# Altium PCB Power Board.PcbDoc (part 3 of 3)
Units mm, origin at the board's own origin, x right, y up, seen from the top; angles counter-clockwise.
Board outline 181.1 x 196.98 mm, 4 copper layers (Top Layer, Int1 (GND), Int2, Bottom Layer), stack 1.369 mm thick; 399 components, 209 nets, 1103 pads, 545 vias.
Unrouted connection lines stored in the file: 26.
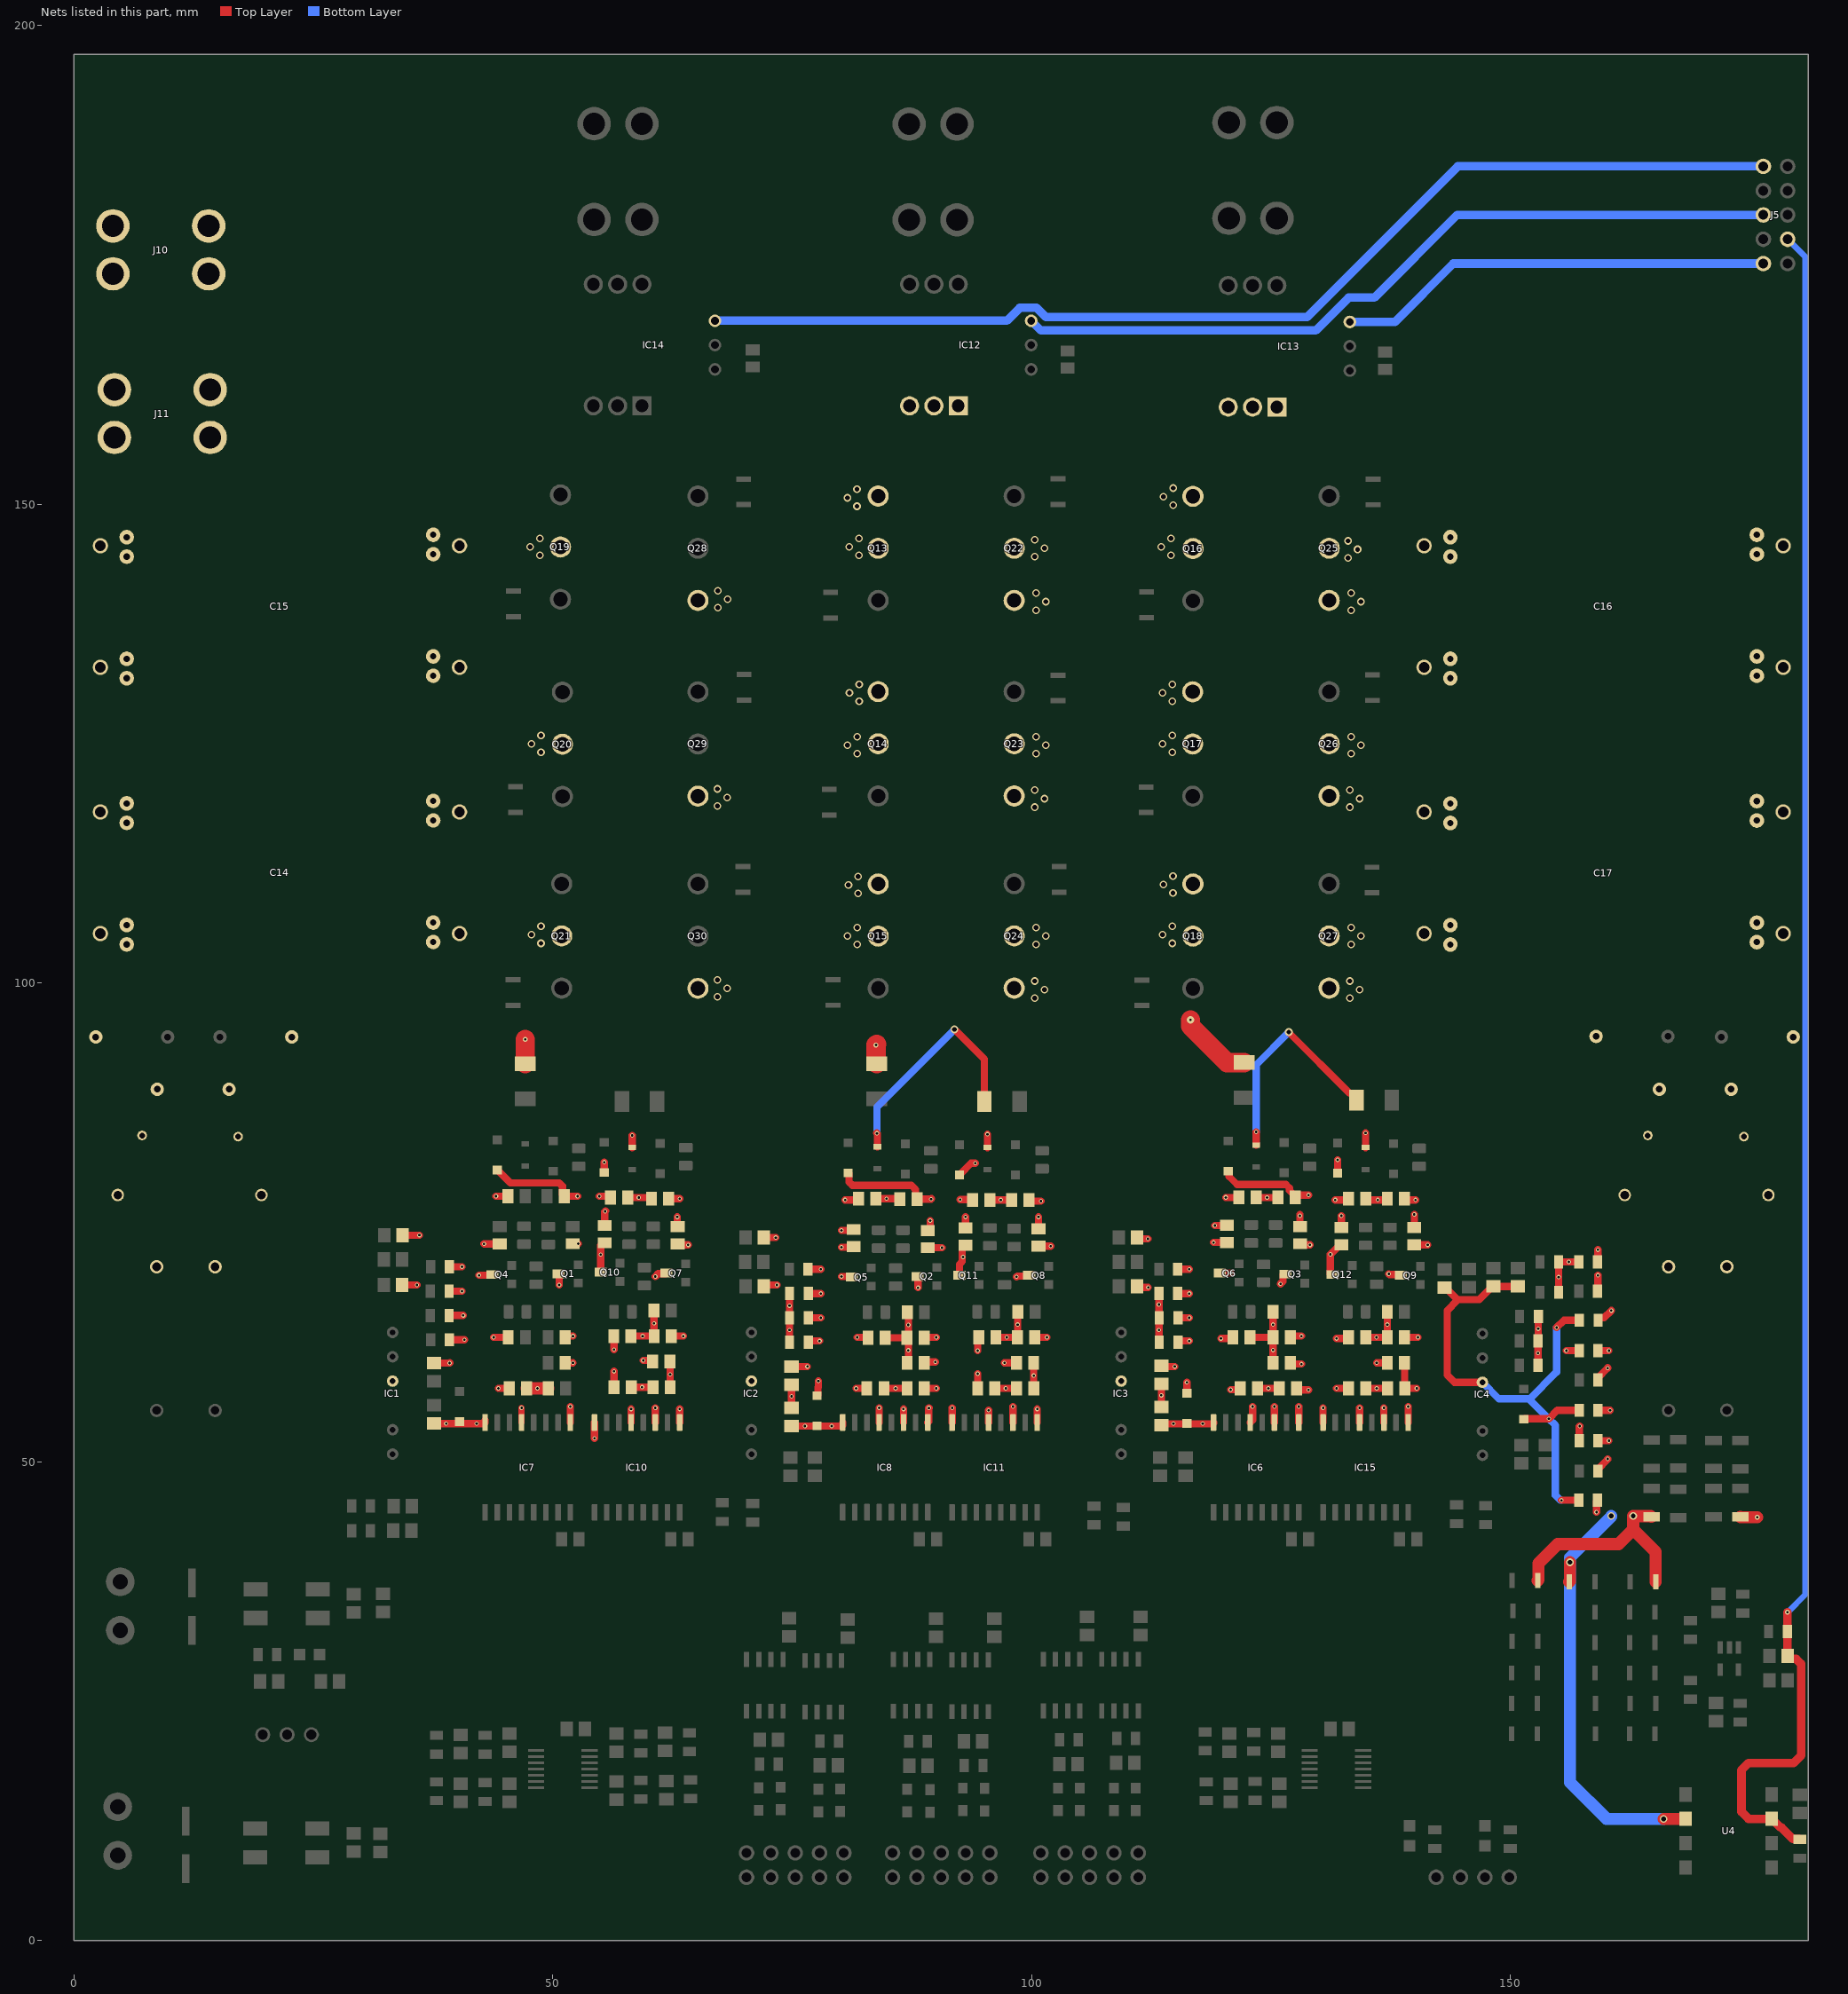
[diagram p5: the nets of this part, all layers, seen from the top]

## Via types
v1: diameter 0.45, hole 0.25, Top Layer to Bottom Layer, 341 vias
v2: diameter 0.8, hole 0.5, Top Layer to Bottom Layer, 177 vias
v3: diameter 0.5, hole 0.25, Top Layer to Bottom Layer, 9 vias
v4: diameter 4, hole 4, Top Layer to Bottom Layer, 9 vias
v5: diameter 3.5, hole 3.2, Top Layer to Bottom Layer, 6 vias
v6: diameter 0.45, hole 0.249, Top Layer to Bottom Layer, 1 vias
v7: diameter 0.762, hole 0.25, Top Layer to Bottom Layer, 1 vias
v8: diameter 0.4, hole 0.25, Top Layer to Bottom Layer, 1 vias

## Nets (pads, with @x,y where several pads share a name; then routed paths per layer and width w, separated by ;. In a path a pad name is that pad's centre, name@x,y a point inside that pad or via, vN(x,y) a via of type N, cw(c..) or ccw(c..) an arc to the next point about the centre after c; other vN are vias at no path point) (continued)
V0_AL: C14.2 C15.2 C16.2 C17.2 C18.2 C19.2 C20.2 C21.2 C22.2 C23.2 C24.2 C25.2 C26.2 C27.2 C87.2 C88.2 C89.2 C90.2 C91.2 C92.2 C93.2 C94.2 C95.2 C99.2 C100.2 C101.2 C102.2 C103.2 C104.2 C106.1 C107.1 C110.1 C111.1 C112.1 C113.1 C114.1 C115.1 C116.1 C117.1 C118.1 C119.1 D20.2 D21.2 D22.2 IC10.3 IC11.3 IC15.3 J11.1 Q22.3 Q23.3 Q24.3 Q25.3 Q26.3 Q27.3 Q28.3 Q29.3 Q30.3 R13.1 R32.1 R133.1 R134.1 R135.1 U4.2 | length 100.8
  Top Layer w0.762: C115.1@55.414,74.665 55.414,76.115 v1@55.499,76.2 ; C107.1@57.827,77.586 v1(58.97,77.586) 58.981,77.597 C100.2@60.303,77.597 ; C114.1@58.166,63.119 C90.2@60.579,63.119 60.568,63.13 60.568,65.775 C87.2@60.557,65.786 ; D20.2@58.293,82.811 v1(58.293,84.074) ; IC10.3@60.706,54.093 v1(60.706,55.626) ; C106.1@62.23,60.452 62.241,60.441 62.241,57.796 C99.2@62.252,57.785 ; v1(62.992,75.565) 62.992,74.602 C91.2@63.034,74.56 ; C117.1@93.091,74.422 v1(93.091,75.565) ; D21.2@95.377,82.811 v1(95.377,84.201) ; C111.1@95.631,77.343 C102.2@97.917,77.343 ; C116.1@96.266,62.992 C92.2@98.53,62.992 98.541,63.003 98.541,65.648 C88.2@98.552,65.659 ; IC11.3@98.044,54.084 v1(98.044,55.753) ; C110.1@100.203,60.325 100.214,60.314 100.214,57.669 C101.2@100.225,57.658 ; C93.2@100.711,74.317 v1(100.711,75.565) ; C119.1@132.334,74.444 v1(132.334,75.692) ; C118.1@134.874,62.992 C94.2@137.138,62.992 C89.2@137.138,65.659 ; C113.1@134.874,77.47 135.001,77.343 136.779,77.343 136.906,77.47 C104.2@137.138,77.47 ; D22.2@134.874,82.811 v1(134.874,84.328) ; IC15.3@136.779,54.093 v1(136.779,55.626) ; C112.1@138.938,60.325 138.949,60.314 138.949,57.669 C103.2@138.96,57.658 v1(140.208,57.658) ; C95.2@139.954,74.444 v1(139.954,75.819) ; R135.1@159.093,67.818 159.131,67.856 v1(159.131,69.469) ; R133.1@159.131,49.022 159.131,49.232 160.147,50.248 v1(160.147,50.292) ; R134.1@159.131,58.547 159.131,58.757 v1(160.147,59.773) v1@160.147,59.817
  Top Layer w1.27: R32.1@156.147,37.465 156.21,37.529 v2(156.21,39.497) ; v2(165.989,12.7) U4.2@168.275,12.7 ; R13.1@173.99,44.24 174.034,44.196 v3(175.768,44.196)
  Bottom Layer w0.254: J11.1@14.224,156.972 J11.1@14.732,157.48
  Bottom Layer w1.27: v2(160.528,44.323) 160.528,44.298 156.21,39.98 156.21,16.51 160.02,12.7 v2(165.989,12.7)
  other v1: 100.214,58.991 62.241,59.118 97.398,62.992 136.006,62.992 59.372,63.119 98.541,64.325 137.138,64.325 60.568,64.453 55.456,76.157 96.774,77.343 136.144,77.343
  other v2: 100.33,98.425 133.223,98.425 67.183,98.552 101.346,99.314 134.239,99.314 68.199,99.441 100.33,100.203 133.223,100.203 67.183,100.33 100.33,118.364 133.223,118.364 67.183,118.491 101.346,119.253 134.239,119.253 68.199,119.38 100.33,120.142 133.223,120.142 67.183,120.269 100.457,138.938 133.35,138.938 67.234,139.195 101.473,139.827 134.366,139.827 68.25,140.084 100.457,140.716 133.35,140.716 67.234,140.973
V0_BH: C55.2 C59.2 C60.2 C68.2 C69.2 C77.1 C78.1 C83.1 C84.1 C130.2 C136.1 D9.2 D17.1 D27.1 IC8.3 IC12.1 IC12.2 IC12.3 Q13.3 Q14.3 Q15.3 Q22.2 Q23.2 Q24.2 R113.1 R114.1 R115.1 | length 48.9
  Top Layer w0.762: R115.1@74.714,62.484 v1(74.714,63.754) R114.1@74.714,65.024 v1(74.714,66.294) R113.1@74.714,67.564 ; C136.1@74.93,55.626 v1(74.93,56.835) C130.2@74.93,58.044 ; D27.1@77.597,56.896 77.622,56.896 77.691,56.965 77.691,57.752 77.724,57.785 v1(77.724,58.42) ; v1(80.137,74.168) 81.333,74.168 C84.1@81.418,74.253 ; v1@83.82,84.328 v1(83.852,84.296) 83.883,84.264 D9.2@83.883,82.896 ; C78.1@83.958,77.428 84.127,77.597 84.254,77.47 v1(84.836,77.47) 85.926,77.47 86.053,77.597 C69.2@86.222,77.428 ; C83.1@84.72,62.95 C59.2@86.984,62.95 ; IC8.3@86.614,54.102 v1(86.614,55.499) ; C77.1@86.995,60.325 87.122,60.452 v1(87.122,61.632) 87.122,62.812 C59.2@86.984,62.95 ; C55.2@87.006,65.617 87.122,65.501 v1(87.122,64.295) 87.122,63.088 C59.2@86.984,62.95 ; C68.2@88.795,57.658 v1(90.043,57.658) ; C60.2@89.165,74.148 89.408,74.391 v1(89.408,75.184) ; v2(91.948,95.148) 95.059,92.037 D17.1@95.059,87.63
  Top Layer w1.524: Q24.2@98.164,104.906 Q24.2@98.171,104.913
  Bottom Layer w0.762: v1(83.852,84.296) 83.852,87.052 v2(91.948,95.148)
  other v2: 100.457,104.013 101.473,104.902 100.457,105.791 81.89,109.347 80.874,110.236 81.89,111.125 100.457,123.952 101.473,124.841 100.457,125.73 81.991,129.413 80.975,130.302 81.991,131.191 100.33,144.526 101.346,145.415 100.33,146.304 81.763,149.784 80.747,150.673 81.763,151.562
V0_CH: C56.2 C61.2 C62.2 C70.2 C71.2 C79.1 C80.1 C85.1 C86.1 C137.2 C143.1 D10.2 D19.1 D28.1 IC6.3 IC13.1 IC13.2 IC13.3 Q16.3 Q17.3 Q18.3 Q25.2 Q26.2 Q27.2 R119.1 R120.1 R121.1 | length 47.8
  Top Layer w0.762: R119.1@113.284,67.564 113.303,67.545 113.303,62.503 R121.1@113.322,62.484 ; C143.1@113.537,55.726 v1(113.537,56.935) C137.2@113.537,58.144 ; D28.1@116.205,57.15 v1(116.205,58.293) ; v1(119.126,74.676) C86.1@120.396,74.676 ; C85.1@122.809,62.992 C61.2@125.2,62.992 ; C80.1@123.444,77.597 v1(124.587,77.597) C71.2@125.708,77.597 ; D10.2@123.444,83.065 v1(123.444,84.455) ; C79.1@125.2,60.325 v1(125.2,61.658) C61.2@125.2,62.992 ; C56.2@125.2,65.659 v1(125.2,64.325) C61.2@125.2,62.992 ; IC6.3@125.349,54.093 v1(125.349,55.753) ; v2(126.848,94.869) 126.848,94.859 126.873,94.833 126.873,94.805 133.212,88.466 133.542,88.466 133.921,88.087 D19.1@133.921,87.757 ; C70.2@127.657,57.658 127.811,57.504 v1(128.915,57.504) ; C62.2@128.016,74.571 v1(128.016,75.692) v1@128.016,75.819
  Top Layer w1.524: Q18.3@116.838,110.343 Q18.3@116.84,110.341 Q18.3@116.967,110.214
  Bottom Layer w0.762: v1(123.444,84.455) 123.444,91.465 v2(126.848,94.869)
  other v1: 113.284,63.754 113.284,66.421
  other v2: 133.35,104.013 134.366,104.902 133.35,105.791 114.757,109.398 113.741,110.287 114.757,111.176 133.35,123.952 134.366,124.841 133.35,125.73 114.681,129.413 113.665,130.302 114.681,131.191 133.02,144.399 134.036,145.288 133.02,146.177 114.783,149.911 113.767,150.8 114.783,151.689
V+: C2.1 C3.1 C4.1 C5.1 C14.1 C15.1 C16.1 C17.1 C18.1 C19.1 C20.1 C21.1 C22.1 C23.1 D3.1 D5.1 D7.1 J10.1 Q13.2 Q14.2 Q15.2 Q16.2 Q17.2 Q18.2 Q19.2 Q20.2 Q21.2 R9.2 R24.1 R41.1 | length 35.4
  Top Layer w1.27: R41.1@152.844,37.592 152.908,37.655 152.908,39.37 154.94,41.402 161.29,41.402 162.814,42.926 ; R9.2@164.719,44.24 164.636,44.323 v2(162.814,44.323) 162.814,42.926 ; R24.1@165.163,37.465 165.163,40.576 162.814,42.926
  Top Layer w2.032: D3.1@47.117,91.567 v3(47.117,94.107) ; D5.1@83.82,91.567 83.746,91.641 v3(83.746,93.525) v3@83.82,93.599 ; v7(116.586,96.139) 116.586,95.504 120.396,91.694 D7.1@122.174,91.694
  other v2: 81.788,104.013 48.768,104.14 114.681,104.14 80.772,104.902 47.752,105.029 113.665,105.029 81.788,105.791 48.768,105.918 114.681,105.918 81.788,123.952 48.768,124.079 114.681,124.079 80.772,124.841 47.752,124.968 113.665,124.968 81.788,125.73 48.768,125.857 114.681,125.857 48.641,144.653 81.966,144.664 114.554,144.653 47.625,145.542 80.95,145.553 113.538,145.542 48.641,146.431 81.966,146.442 114.554,146.431
VA_CSensor: IC14.OUT J5.1 | length 117
  Bottom Layer w0.889: IC14.OUT@66.929,169.164 97.409,169.164 98.767,170.522 100.511,170.522 101.488,169.545 128.753,169.545 144.501,185.293 J5.1@176.403,185.293
VB_CSensor: IC12.OUT J5.5 | length 81.9
  Bottom Layer w0.889: IC12.OUT@99.949,169.164 100.965,168.148 129.667,168.148 133.096,171.577 135.788,171.577 144.424,180.213 J5.5@176.403,180.213
VBUS: C36.1 J5.8 R31.2 R47.2 U4.7 | length 178.9
  Top Layer w0.889: U4.7@177.275,12.7 174.861,12.7 174.117,13.444 174.117,17.798 174.861,18.542 179.578,18.542 180.34,19.304 180.34,28.892 179.819,29.412 179.149,29.412 178.928,29.633 R31.2@178.928,32.235 ; U4.7@177.633,12.359 178.193,11.799 178.293,11.799 179.496,10.596 180.158,10.596 R47.2@180.213,10.541 ; R31.2@178.905,32.258 R31.2@178.928,32.235 ; v3(178.928,34.275) R31.2@178.928,32.235
  Bottom Layer w0.635: v3(178.928,34.275) 180.79,36.137 180.79,175.826 J5.8@178.943,177.673
VC_CSensor: IC13.OUT J5.9 | length 45.7
  Bottom Layer w0.889: IC13.OUT@133.223,169.037 137.922,169.037 144.018,175.133 J5.9@176.403,175.133
VN_AH: C63.1 C73.2 C74.2 C81.2 C82.2 C125.2 C128.2 C129.2 D26.2 IC1.3 IC7.1 IC7.8 Q4.3 | length 18.4
  Top Layer w0.762: C128.2@34.268,68.454 v1(35.813,68.454) v1(35.813,68.454) ; C125.2@34.29,73.66 v1(36.068,73.66) ; C129.2@37.592,53.98 42.835,53.98 42.926,54.071 IC7.8@42.926,54.093 IC7.8@42.926,54.356 ; v1(42.291,69.469) 43.612,69.469 Q4.3@43.688,69.545 ; v1@42.799,72.771 v1(42.821,72.749) C82.2@44.45,72.749 ; v1(43.815,62.992) C81.2@45.339,62.992 ; v1(44.069,77.724) C74.2@45.317,77.724 ; v1(44.323,57.658) C63.1@45.466,57.658 ; C73.2@51.308,60.325 v1(52.099,60.325) ; IC7.1@51.816,54.093 v1(51.816,55.753)
  other v1: 38.862,53.975 42.037,53.975
VN_AL: C96.1 C106.2 C107.2 C114.2 C115.2 IC10.1 IC10.8 Q10.3 R136.1 | length 13
  Top Layer w0.762: v8(54.356,52.451) IC10.8@54.356,54.093 ; v1(54.864,77.724) 55.889,77.724 C107.2@56.027,77.586 ; Q10.3@54.991,69.799 54.991,72.592 55.264,72.865 C115.2@55.414,72.865 ; C114.2@56.366,63.119 56.388,63.097 v1(56.388,61.722) ; C96.1@56.377,57.796 C96.1@56.388,57.785 v1(56.388,59.436) ; v1(59.436,60.579) 60.303,60.579 C106.2@60.43,60.452 ; IC10.1@63.246,54.093 v1(63.246,55.499) ; v1(158.974,44.734) 158.994,44.754 158.994,45.875 R136.1@159.093,45.974
  other v1: 54.991,71.628
VN_BH: C64.1 C77.2 C78.2 C83.2 C84.2 C132.2 C135.2 C136.2 D27.2 IC2.3 IC8.1 IC8.8 Q5.3 | length 17.3
  Top Layer w0.762: C135.2@72.009,68.326 72.263,68.326 72.263,68.438 72.278,68.453 v1(73.406,68.453) ; C132.2@72.009,73.406 v1(73.279,73.406) ; C136.2@74.93,53.726 80.173,53.726 80.264,53.817 IC8.8@80.264,54.102 ; v1(80.137,69.342) 81.177,69.342 Q5.3@81.215,69.304 ; v1(80.137,72.39) 81.355,72.39 C84.2@81.418,72.453 ; v1(80.518,77.343) 81.788,77.343 C78.2@81.915,77.47 ; v1(81.661,57.658) C64.1@82.782,57.658 ; v1(81.788,62.992) 82.878,62.992 C83.2@82.92,62.95 ; C77.2@88.795,60.325 88.895,60.425 v1(89.943,60.425) ; IC8.1@89.154,54.102 89.245,54.193 v1@89.245,55.59 ; v1(89.263,55.608) v1@89.281,55.626
  other v1: 76.327,53.721 79.121,53.721
VN_BL: C97.1 C110.2 C111.2 C116.2 C117.2 IC11.1 IC11.8 Q11.3 R137.1 | length 13.3
  Top Layer w0.762: IC11.8@91.694,54.084 v1(91.694,55.626) ; Q11.3@92.456,69.469 92.456,70.613 92.747,70.904 92.747,72.428 92.941,72.622 C117.2@93.091,72.622 ; v1(92.535,77.377) 93.797,77.377 C111.2@93.831,77.343 ; C97.1@94.361,57.658 v1(94.361,59.182) ; v1(94.361,61.595) 94.361,62.887 C116.2@94.466,62.992 ; v1(97.155,60.325) C110.2@98.403,60.325 ; IC11.1@100.584,54.084 v1(100.584,55.499) ; R137.1@159.131,55.372 v1(160.401,55.372)
  other v1: 92.837,71.374
VN_CH: C65.1 C79.2 C80.2 C85.2 C86.2 C139.2 C142.2 C143.2 D28.2 IC3.3 IC6.1 IC6.8 Q6.3 | length 17.2
  Top Layer w0.762: C139.2@110.998,73.406 111.125,73.279 v1(112.141,73.279) ; C142.2@111.02,68.325 111.146,68.199 v1(112.169,68.199) ; C143.2@113.537,53.826 113.67,53.959 118.908,53.959 118.999,54.05 IC6.8@118.999,54.093 ; v1(118.999,72.898) 120.374,72.898 C86.2@120.396,72.876 ; Q6.3@119.634,69.723 v1(120.777,69.723) ; v1(119.761,62.865) 120.882,62.865 C85.2@121.009,62.992 ; v3(120.269,77.597) C80.2@121.644,77.597 ; v1(120.777,57.531) 121.666,57.531 C65.1@121.793,57.658 ; C79.2@127,60.325 127.127,60.198 v1(128.172,60.198) ; IC6.1@127.889,54.093 v1(127.889,55.753)
  other v1: 114.808,53.975 117.856,53.975
VN_CL: C98.1 C112.2 C113.2 C118.2 C119.2 IC15.1 IC15.8 Q12.3 R138.1 | length 14.1
  Top Layer w0.762: IC15.8@130.429,54.093 v1(130.429,55.626) ; Q12.3@131.445,69.545 131.267,69.545 131.191,69.621 v1(131.191,71.651) 132.184,72.644 C119.2@132.334,72.644 ; v1(131.699,77.343) 132.947,77.343 C113.2@133.074,77.47 ; v1(131.826,57.658) C98.1@133.096,57.658 ; v1(131.826,62.865) 132.947,62.865 C118.2@133.074,62.992 ; v1(136.017,60.325) C112.2@137.138,60.325 ; IC15.1@139.319,54.093 v1(139.319,55.753) ; R138.1@159.144,64.77 159.144,64.925 159.243,65.024 159.766,65.024 v1(160.528,65.786)
VNN: C145.2 C146.2 C149.2 D29.2 IC4.3 R136.2 R137.2 R138.2 | length 58
  Top Layer w0.762: C149.2@143.128,68.177 143.228,68.177 144.464,66.941 ; IC4.3@147.066,58.293 144.145,58.293 143.383,59.055 143.383,65.786 144.464,66.867 144.464,66.941 ; C146.2@150.748,68.304 C145.2@148.208,68.304 148.108,68.304 146.745,66.941 144.464,66.941 ; D29.2@151.384,54.432 151.46,54.432 151.511,54.483 v1(154.004,54.483) 154.893,55.372 R137.2@157.175,55.372 ; v1(154.813,64.008) 155.575,64.77 R138.2@157.188,64.77 ; v1(155.321,45.974) R136.2@157.137,45.974
  Bottom Layer w0.762: IC4.3@147.066,58.293 148.793,56.566 151.921,56.566 151.97,56.517 ; v1(154.813,64.008) 154.813,59.36 151.97,56.517 ; v1(155.321,45.974) 155.194,45.974 154.686,46.482 154.686,53.801 v1(154.004,54.483) 151.97,56.517
VP_AH: C57.1 C58.1 C63.2 C66.1 C67.1 C123.1 D11.1 IC7.5 Q1.3 R105.2 R107.2 R108.2 R109.2 | length 23.8
  Top Layer w0.635: IC7.5@46.736,54.093 v1(46.736,55.626)
  Top Layer w0.762: C123.1@37.591,60.298 v1(39.216,60.298) v1@39.243,60.325 ; R108.2@39.167,65.278 v1(40.64,65.278) ; R107.2@39.167,67.818 v1(40.513,67.818) ; R109.2@39.205,62.738 v1(40.767,62.738) ; R105.2@39.205,70.358 v1(40.513,70.358) ; D11.1@44.208,80.479 45.567,79.121 50.673,79.121 51.009,78.785 51.009,77.918 C67.1@51.203,77.724 v1(52.578,77.724) ; Q1.3@50.608,69.634 50.673,69.569 v1(50.673,68.453) ; C57.1@51.308,62.992 51.435,63.119 v1(52.099,63.119) ; C58.1@52.07,72.771 v1(52.658,72.771)
  Top Layer w1.27: C63.2@47.266,57.658 v1(48.387,57.658) C66.1@49.53,57.658
VP_AL: C90.1 C91.1 C96.2 C99.1 C100.1 D23.1 IC10.5 Q7.3 R123.1 | length 11
  Top Layer w0.762: v1(55.372,81.28) D23.1@55.372,80.213 D23.1@55.397,80.213 ; IC10.5@58.166,54.093 v1(58.166,55.499) ; C96.2@58.188,57.785 C99.1@60.452,57.785 ; v1(60.706,69.342) 61.011,69.647 61.773,69.647 Q7.3@61.849,69.723 ; C100.1@62.103,77.47 v1(63.246,77.47) ; C90.1@62.379,63.119 v1(63.627,63.119) ; C91.1@63.034,72.76 62.918,72.644 v1(64.135,72.644) ; R123.1@159.131,52.197 v1(160.274,52.197)
  other v1: 59.32,57.785
VP_BH: C59.1 C60.1 C64.2 C68.1 C69.1 C130.1 D12.1 IC8.5 Q2.3 R111.2 R113.2 R114.2 R115.2 | length 25.6
  Top Layer w0.762: C130.1@74.93,59.944 v1(76.581,59.944) ; R111.2@76.632,70.104 v1(77.978,70.104) ; R115.2@76.67,62.484 76.67,62.512 76.769,62.611 v1(77.851,62.611) ; R114.2@76.67,65.024 v1(77.978,65.024) ; R113.2@76.67,67.564 v1(77.978,67.564) ; D12.1@80.835,80.171 80.86,80.171 80.93,80.102 80.93,79.219 81.282,78.867 87.438,78.867 87.884,78.421 87.884,77.566 C69.1@88.022,77.428 v1(89.493,77.428) v1@89.535,77.47 ; IC8.5@84.074,54.102 v1(84.074,55.626) ; C64.2@84.582,57.658 C68.1@86.995,57.658 ; Q2.3@88.073,69.355 88.138,69.29 v1(88.138,68.17) ; C59.1@88.784,62.95 88.826,62.992 v1(90.043,62.992) ; C60.1@89.165,72.348 v1(90.636,72.348)
  other v1: 85.788,57.658
VP_BL: C92.1 C93.1 C97.2 C101.1 C102.1 D24.1 IC11.5 Q8.3 R125.1 | length 12.1
  Top Layer w0.762: D24.1@92.456,79.959 92.481,79.959 92.55,80.028 92.55,80.053 93.675,81.178 v1(94.107,81.178) ; IC11.5@95.504,54.084 v1(95.504,55.372) ; C97.2@96.161,57.658 C101.1@98.425,57.658 ; v1(98.425,69.313) 98.505,69.393 99.671,69.393 Q8.3@99.747,69.469 ; C102.1@99.717,77.343 99.844,77.216 v1(100.965,77.216) ; C92.1@100.33,62.992 v1(101.6,62.992) ; C93.1@100.711,72.517 v1(101.981,72.517) ; R125.1@159.131,61.595 v1(160.274,61.595)
  other v1: 97.293,57.658
VP_CH: C61.1 C62.1 C65.2 C70.1 C71.1 C137.1 D13.1 IC6.5 Q3.3 R117.2 R119.2 R120.2 R121.2 | length 24.1
  Top Layer w0.762: C137.1@113.537,60.044 113.637,59.944 v1(114.935,59.944) ; R119.2@115.24,67.564 v1(116.459,67.564) ; R117.2@115.24,70.104 v1(116.459,70.104) ; R121.2@115.278,62.484 115.278,62.512 115.377,62.611 v1(116.459,62.611) ; R120.2@115.278,65.024 v1(116.459,65.024) ; D13.1@120.523,80.34 120.548,80.34 120.617,80.271 120.617,79.789 121.449,78.957 126.546,78.957 126.918,78.585 126.918,78.337 127.508,77.747 C71.1@127.508,77.657 ; IC6.5@122.809,54.093 123.063,54.347 v1(123.063,55.753) ; C65.2@123.593,57.658 C70.1@125.857,57.658 ; v1(125.984,68.58) 126.238,68.834 126.238,69.52 126.314,69.596 Q3.3@126.492,69.596 ; C61.1@127,62.992 127.127,63.119 v1(128.172,63.119) ; C71.1@127.508,77.597 C71.1@127.508,77.657 ; C62.1@128.016,72.771 128.143,72.644 v1(129.061,72.644) ; v1(128.905,77.851) 127.702,77.851 C71.1@127.508,77.657
  other v1: 124.725,57.658
VP_CL: C94.1 C95.1 C98.2 C103.1 C104.1 D25.1 IC15.5 Q9.3 R131.1 | length 11.8
  Top Layer w0.762: D25.1@131.953,80.137 v1(131.953,81.534) ; IC15.5@134.239,54.093 v1(134.239,55.626) ; C98.2@134.896,57.658 C103.1@137.16,57.658 ; v1(137.287,69.618) 137.36,69.545 138.481,69.545 Q9.3@138.557,69.469 ; C94.1@138.938,62.992 v1(140.335,62.992) ; C104.1@138.938,77.47 139.065,77.343 v1(140.081,77.343) ; C95.1@139.954,72.644 v1(141.351,72.644) ; R131.1@159.093,70.866 159.131,70.904 v1(159.131,72.136)
  other v1: 136.028,57.658
VPP: R123.2 R124.2 R125.2 R127.2 R128.2 R129.2 R130.2 R131.2 | length 13.3
  Top Layer w0.762: R129.2@152.87,60.071 v1(152.87,61.341) R128.2@152.87,62.611 152.889,62.63 152.889,65.132 R127.2@152.908,65.151 ; R124.2@155.029,67.691 R130.2@155.029,70.866 R131.2@157.137,70.866 ; v1(155.829,61.595) R125.2@157.175,61.595 ; R123.2@157.175,52.197 157.175,53.67 v1(157.226,53.721)
  other v1: 152.889,63.881 155.029,69.278 156.083,70.866
pads on no net: IC6.4 IC6.7 IC7.4 IC7.7 IC8.4 IC8.7 IC10.4 IC10.7 IC11.4 IC11.7 IC15.4 IC15.7 U1.3 U1.11 U2.3 U2.8 U2.11 U3.5 U3.6 U5.5 U5.6 U6.5 U6.6
copper on no net:
  other v4: 58.039,99.568 91.059,99.568 123.952,99.568 58.039,119.634 91.059,119.634 123.952,119.634 58.039,140.081 91.059,140.081 123.952,140.081
  other v5: 3.429,3.556 177.546,3.556 3.429,193.548 177.546,193.675

## Polygon pours and split planes (outlines as drawn)
V0_AH on Int1 (GND) "Int1 (GND)-V0_AH" (solid, pour order 229): 53.086,84.074 54.483,85.471 54.483,85.598 54.864,85.979 57.658,85.979 58.42,86.741 58.42,88.9 57.277,90.043 50.927,90.043 43.307,90.043 35.179,81.915 35.179,54.483 37.338,52.324 51.308,52.324 53.086,54.102
GND_Cntrl on Int1 (GND) "Int1 (GND)-GND_Cntrl" (solid, pour order 413): 34.442,0 181.102,0 181.102,25.908 181.102,37.592 181.102,41.808 181.077,41.783 143.002,41.783 143.002,44.958 141.859,46.101 39.116,46.101 34.442,41.427
no net on Int1 (GND) "Int1 (GND)-No Net 3" (solid, pour order 188): 131.191,122.428 129.413,120.65 129.413,117.983 131.064,116.332 137.668,116.332 139.192,117.856 139.192,122.428
no net on Int1 (GND) "Int1 (GND)-No Net 4" (solid, pour order 187): 131.191,102.384 129.413,100.606 129.413,97.939 131.064,96.288 137.668,96.288 139.192,97.812 139.192,102.384
no net on Int1 (GND) "Int1 (GND)-No Net 5" (solid, pour order 186): 98.171,102.384 96.393,100.606 96.393,97.939 98.044,96.288 104.648,96.288 106.172,97.812 106.172,102.384
no net on Int1 (GND) "Int1 (GND)-No Net 6" (solid, pour order 185): 98.171,122.428 96.393,120.65 96.393,117.983 98.044,116.332 104.648,116.332 106.172,117.856 106.172,122.428
no net on Int1 (GND) "Int1 (GND)-No Net 7" (solid, pour order 184): 98.171,142.875 96.393,141.097 96.393,138.43 98.044,136.779 104.648,136.779 106.172,138.303 106.172,142.875
no net on Int1 (GND) "Int1 (GND)-No Net 8" (solid, pour order 183): 65.278,142.897 63.5,141.119 63.5,138.452 65.151,136.801 71.755,136.801 73.279,138.325 73.279,142.897
no net on Int1 (GND) "Int1 (GND)-No Net 9" (solid, pour order 182): 65.278,102.362 63.5,100.584 63.5,97.917 65.151,96.266 71.755,96.266 73.279,97.79 73.279,102.362
V0_AL on Int1 (GND) "Int1 (GND)-V0_AL" (solid, pour order 180): 59 vertices, not listed, extent 0,42.925 181.102,188.595
V0_BH on Int1 (GND) "Int1 (GND)-V0_BH" (solid, pour order 230): 90.932,84.074 92.329,85.471 92.329,85.598 92.71,85.979 95.504,85.979 96.266,86.741 96.266,88.9 95.123,90.043 88.773,90.043 81.153,90.043 73.025,81.915 73.025,54.483 75.184,52.324 89.154,52.324 90.932,54.102
V0_CH on Int1 (GND) "Int1 (GND)-V0_CH" (solid, pour order 231): 130.175,84.074 131.572,85.471 131.572,85.598 131.953,85.979 134.747,85.979 135.509,86.741 135.509,88.9 134.366,90.043 128.016,90.043 120.396,90.043 112.268,81.915 112.268,54.483 114.427,52.324 128.397,52.324 130.175,54.102
5VN_FIlt on Int1 (GND) "Int1 (GND)-5VN_FIlt" (solid, pour order 174): 30 vertices, not listed, extent 0,0 153.797,55.118
GND_CURRENTSENS on Int1 (GND) "Int1 (GND)-GND_CURRENTSENS" (solid, pour order 167): 65.659,167.132 65.659,165.989 66.294,165.354 176.403,165.354 181.102,165.354 181.102,187.325 174.244,187.325 174.244,171.958 169.81,167.524 66.307,167.78
V0_CH on Int1 (GND) "Int1 (GND)-V0_CH 4" (solid, pour order 111): 119.888,151.257
no net on Int1 (GND) "Int1 (GND)-No Net 1" (solid, pour order 105): 86.868,151.268
no net on Int1 (GND) "Int1 (GND)-No Net 2" (solid, pour order 98): 53.975,151.257
V00 on Int1 (GND) "Int1 (GND)-V00" (solid, pour order 87): 156.972,47.625 155.448,47.625 154.559,48.514 154.559,53.594 152.908,55.245 150.241,55.245 148.971,56.515 148.971,67.818 150.114,68.961 157.353,68.961 157.988,68.326 157.988,48.641
no net on Int1 (GND) "Int1 (GND)-No Net" (solid, pour order 80): -10.922,49.276
Chassis1 on Top Layer "Top Layer-Chassis1" (solid, pour order 419): 45 vertices, not listed, extent 164.846,43.053 180.086,96.139
no net on Top Layer "Top Layer-No Net 3" (solid, pour order 418): 165.71,53.95
no net on Top Layer "Top Layer-No Net 4" (solid, pour order 417): 165.532,54.432
V0_AH on Top Layer "Top Layer-V0_AH" (solid, pour order 399): 46.886,111.471 46.886,109.185 47.648,108.423 51.966,108.423 52.601,109.058 52.601,111.559 51.927,112.233 47.648,112.233
V0_BH on Top Layer "Top Layer-V0_BH 1" (solid, pour order 359): 102.39,106.112 102.39,103.826 101.628,103.064 97.31,103.064 96.675,103.699 96.675,106.2 97.349,106.874 101.628,106.874
V+ on Top Layer "Top Layer-V+ 6" (solid, pour order 410): 80.033,146.763 80.033,144.477 80.795,143.715 85.113,143.715 85.748,144.35 85.748,146.851 85.074,147.525 80.795,147.525
no net on Top Layer "Top Layer-V0_AL 9" (solid, pour order 409): 69.166,138.875 69.166,141.161 68.404,141.923 64.086,141.923 63.451,141.288 63.451,138.787 64.126,138.113 68.404,138.113
V0_CH on Top Layer "Top Layer-V0_CH 3" (solid, pour order 408): 134.952,146.498 134.952,144.212 134.19,143.45 129.872,143.45 129.237,144.085 129.237,146.586 129.912,147.26 134.19,147.26
V0_CH on Top Layer "Top Layer-V0_CH 5" (solid, pour order 406): 112.85,152.01 112.85,149.724 113.612,148.962 117.93,148.962 118.565,149.597 118.565,152.097 117.891,152.772 113.612,152.772
V0_CH on Top Layer "Top Layer-V0_CH 4" (solid, pour order 405): 112.748,131.512 112.748,129.226 113.51,128.464 117.828,128.464 118.463,129.099 118.463,131.6 117.789,132.274 113.51,132.274
V0_CH on Top Layer "Top Layer-V0_CH" (solid, pour order 403): 112.825,111.497 112.825,109.211 113.587,108.449 117.905,108.449 118.54,109.084 118.54,111.584 117.865,112.259 113.587,112.259
V0_BH on Top Layer "Top Layer-V0_BH" (solid, pour order 402): 79.957,111.446 79.957,109.16 80.719,108.398 85.037,108.398 85.672,109.033 85.672,111.534 84.998,112.208 80.719,112.208
V0_BH on Top Layer "Top Layer-V0_BH 4" (solid, pour order 401): 80.059,131.512 80.059,129.226 80.821,128.464 85.139,128.464 85.774,129.099 85.774,131.6 85.099,132.274 80.821,132.274
V0_BH on Top Layer "Top Layer-V0_BH 5" (solid, pour order 400): 79.83,151.883 79.83,149.597 80.592,148.835 84.91,148.835 85.545,149.47 85.545,151.97 84.871,152.645 80.592,152.645
V0_AH on Top Layer "Top Layer-V0_AH 3" (solid, pour order 398): 47.089,131.486 47.089,129.2 47.851,128.438 52.169,128.438 52.804,129.073 52.804,131.574 52.13,132.248 47.851,132.248
V0_AH on Top Layer "Top Layer-V0_AH 5" (solid, pour order 397): 46.835,152.111 46.835,149.825 47.597,149.063 51.915,149.063 52.55,149.698 52.55,152.199 51.876,152.873 47.597,152.873
V0_AL on Top Layer "Top Layer-V0_AL 1" (solid, pour order 380): 135.156,120.463 135.156,118.177 134.394,117.415 130.076,117.415 129.441,118.05 129.441,120.551 130.115,121.225 134.394,121.225
V0_CH on Top Layer "Top Layer-V0_CH 1" (solid, pour order 383): 135.283,106.112 135.283,103.826 134.521,103.064 130.203,103.064 129.568,103.699 129.568,106.2 130.242,106.874 134.521,106.874
V0_AL on Top Layer "Top Layer-V0_AL 2" (solid, pour order 382): 135.156,100.524 135.156,98.238 134.394,97.476 130.076,97.476 129.441,98.111 129.441,100.612 130.115,101.286 134.394,101.286
V0_CH on Top Layer "Top Layer-V0_CH 2" (solid, pour order 381): 135.283,126.051 135.283,123.765 134.521,123.003 130.203,123.003 129.568,123.638 129.568,126.139 130.242,126.813 134.521,126.813
V0_AL on Top Layer "Top Layer-V0_AL 3" (solid, pour order 378): 135.283,141.037 135.283,138.751 134.521,137.989 130.203,137.989 129.568,138.624 129.568,141.125 130.242,141.799 134.521,141.799
V0_AL on Top Layer "Top Layer-V0_AL 4" (solid, pour order 358): 102.263,100.524 102.263,98.238 101.501,97.476 97.183,97.476 96.548,98.111 96.548,100.612 97.222,101.286 101.501,101.286
V0_BH on Top Layer "Top Layer-V0_BH 2" (solid, pour order 357): 102.39,126.051 102.39,123.765 101.628,123.003 97.31,123.003 96.675,123.638 96.675,126.139 97.349,126.813 101.628,126.813
V0_AL on Top Layer "Top Layer-V0_AL 5" (solid, pour order 356): 102.263,120.463 102.263,118.177 101.501,117.415 97.183,117.415 96.548,118.05 96.548,120.551 97.222,121.225 101.501,121.225
V0_BH on Top Layer "Top Layer-V0_BH 3" (solid, pour order 355): 102.263,146.625 102.263,144.339 101.501,143.577 97.183,143.577 96.548,144.212 96.548,146.713 97.222,147.387 101.501,147.387
V0_AL on Top Layer "Top Layer-V0_AL 6" (solid, pour order 354): 102.39,141.037 102.39,138.751 101.628,137.989 97.31,137.989 96.675,138.624 96.675,141.125 97.349,141.799 101.628,141.799
V+ on Top Layer "Top Layer-V+ 1" (solid, pour order 347): 112.748,106.239 112.748,103.953 113.51,103.191 117.828,103.191 118.463,103.826 118.463,106.327 117.789,107.001 113.51,107.001
V+ on Top Layer "Top Layer-V+ 2" (solid, pour order 345): 112.748,126.178 112.748,123.892 113.51,123.13 117.828,123.13 118.463,123.765 118.463,126.266 117.789,126.94 113.51,126.94
V+ on Top Layer "Top Layer-V+ 3" (solid, pour order 343): 112.621,146.752 112.621,144.466 113.383,143.704 117.701,143.704 118.336,144.339 118.336,146.84 117.662,147.514 113.383,147.514
V+ on Top Layer "Top Layer-V+ 4" (solid, pour order 323): 79.855,106.112 79.855,103.826 80.617,103.064 84.935,103.064 85.57,103.699 85.57,106.2 84.896,106.874 80.617,106.874
V+ on Top Layer "Top Layer-V+ 5" (solid, pour order 321): 79.855,126.051 79.855,123.765 80.617,123.003 84.935,123.003 85.57,123.638 85.57,126.139 84.896,126.813 80.617,126.813
V0_AH on Top Layer "Top Layer-V0_AH 1" (solid, pour order 301): 69.243,106.239 69.243,103.953 68.481,103.191 64.163,103.191 63.528,103.826 63.528,106.327 64.202,107.001 68.481,107.001
V0_AL on Top Layer "Top Layer-V0_AL 7" (solid, pour order 300): 69.116,100.651 69.116,98.365 68.354,97.603 64.036,97.603 63.401,98.238 63.401,100.739 64.075,101.413 68.354,101.413
V0_AH on Top Layer "Top Layer-V0_AH 2" (solid, pour order 299): 69.243,126.178 69.243,123.892 68.481,123.13 64.163,123.13 63.528,123.765 63.528,126.266 64.202,126.94 68.481,126.94
V0_AL on Top Layer "Top Layer-V0_AL 8" (solid, pour order 298): 69.116,120.59 69.116,118.304 68.354,117.542 64.036,117.542 63.401,118.177 63.401,120.678 64.075,121.352 68.354,121.352
V+ on Top Layer "Top Layer-V+ 7" (solid, pour order 271): 46.835,106.239 46.835,103.953 47.597,103.191 51.915,103.191 52.55,103.826 52.55,106.327 51.876,107.001 47.597,107.001
V+ on Top Layer "Top Layer-V+ 8" (solid, pour order 255): 46.835,126.178 46.835,123.892 47.597,123.13 51.915,123.13 52.55,123.765 52.55,126.266 51.876,126.94 47.597,126.94
V0_AH on Top Layer "Top Layer-V0_AH 4" (solid, pour order 242): 69.37,144.183 69.37,146.469 68.608,147.231 64.29,147.231 63.655,146.596 63.655,144.095 64.329,143.421 68.608,143.421
V+ on Top Layer "Top Layer-V+ 9" (solid, pour order 240): 46.708,146.752 46.708,144.466 47.47,143.704 51.788,143.704 52.423,144.339 52.423,146.84 51.749,147.514 47.47,147.514
Chassis2 on Top Layer "Top Layer-Chassis2" (solid, pour order 204): 25 vertices, not listed, extent 1.27,51.816 16.764,96.393
V0_AL on Top Layer "Top Layer-V0_AL" (solid, pour order 195): 1.905,165.608 1.143,164.846 1.143,153.924 1.651,153.416 17.145,153.416 17.78,154.051 17.78,165.1 17.272,165.608
V+ on Top Layer "Top Layer-V+" (solid, pour order 192): 1.651,182.753 0.889,181.991 0.889,171.069 1.397,170.561 16.891,170.561 17.526,171.196 17.526,182.245 17.018,182.753
M_C on Top Layer "Top Layer-M_B" (solid, pour order 139): 127.444,192.722 128.841,191.326 128.841,172.529 126.936,170.624 118.936,170.624 117.03,172.529 117.03,191.071 118.681,192.722
M_A on Top Layer "Top Layer-M_B" (solid, pour order 138): 61.151,192.85 62.547,191.452 62.547,172.656 60.642,170.751 52.642,170.751 50.736,172.656 50.736,191.198 52.387,192.849
M_B on Top Layer "Top Layer-M_B" (solid, pour order 120): 94.17,192.85 95.567,191.452 95.567,172.656 93.662,170.751 85.662,170.751 83.756,172.656 83.756,191.198 85.407,192.849
no net on Top Layer "Top Layer-No Net" (solid, pour order 42): 125.984,70.358
no net on Top Layer "Top Layer-No Net 1" (solid, pour order 31): 86.741,70.358
no net on Top Layer "Top Layer-No Net 2" (solid, pour order 4): 48.895,70.358
+5_Cntrl on Int2 "Int2-+5_Cntrl" (solid, pour order 411): 36.424,41.808 34.468,39.853 34.468,0 181.102,0 181.102,41.808
V+ on Int2 "Int2-V+" (solid, pour order 160): 22 vertices, not listed, extent 0,43.053 181.102,188.595
VP_BL on Int2 "Int2-VP_BL" (solid, pour order 225): 38 vertices, not listed, extent 92.329,52.705 165.354,90.805
VN_BL on Int2 "Int2-VN_BL" (solid, pour order 224): 40 vertices, not listed, extent 91.186,50.927 168.275,93.98
VN_CL on Int2 "Int2-VN_CL" (solid, pour order 228): 48 vertices, not listed, extent 130.048,50.673 162.433,87.503
VP_CL on Int2 "Int2-VP_CL" (solid, pour order 227): 37 vertices, not listed, extent 131.318,52.451 160.401,85.344
VN_CH on Int2 "Int2-VN_CH" (solid, pour order 226): 45 vertices, not listed, extent 108.458,50.419 129.667,85.344
VN_AH on Int2 "Int2-VN_AH" (solid, pour order 223): 47 vertices, not listed, extent 31.369,50.419 53.086,85.344
VP_AL on Int2 "Int2-VP_AL" (solid, pour order 222): 45 vertices, not listed, extent 53.721,48.006 160.782,85.979
VN_AL on Int2 "Int2-VN_AL" (solid, pour order 221): 36 vertices, not listed, extent 53.721,42.926 160.274,79.375
+3V3_Cntrl on Int2 "Int2-+3V3_Cntrl" (solid, pour order 220): 35 vertices, not listed, extent 53.213,0 178.054,28.829
5VP_FIlt on Int2 "Int2-5VP_FIlt" (solid, pour order 175): 0,0 30.48,0 33.02,2.54 33.02,41.656 34.925,43.561 149.987,43.561 151.066,44.64 149.225,46.482 25.273,46.482 1.397,46.482 0,45.085 0,0.023
VPP on Int2 "Int2-VPP" (solid, pour order 62): 17 vertices, not listed, extent 151.765,50.8 157.988,72.263
VP_CH on Int2 "Int2-VP_CH" (solid, pour order 50): 21 vertices, not listed, extent 123.063,52.959 130.048,85.344
no net on Int2 "Int2-No Net" (solid, pour order 48): 108.712,86.868
no net on Int2 "Int2-No Net 1" (solid, pour order 47): 119.253,71.374
no net on Int2 "Int2-No Net 2" (solid, pour order 46): 119.253,71.374
VP_CH on Int2 "Int2-VP_CH 1" (solid, pour order 43): 29 vertices, not listed, extent 106.807,59.055 130.048,87.63
VN_BH on Int2 "Int2-VN_BH" (solid, pour order 38): 25 vertices, not listed, extent 80.01,50.927 90.805,85.344
VP_BH on Int2 "Int2-VP_BH" (solid, pour order 39): 21 vertices, not listed, extent 83.82,52.959 90.805,85.344
no net on Int2 "Int2-No Net 3" (solid, pour order 37): 69.469,86.868
no net on Int2 "Int2-No Net 4" (solid, pour order 36): 80.01,71.374
no net on Int2 "Int2-No Net 5" (solid, pour order 35): 80.01,71.374
VN_BH on Int2 "Int2-VN_BH 1" (solid, pour order 34): 80.049,52.832 74.549,52.832 69.215,58.166 69.215,59.182 70.104,60.071 71.882,60.071 72.771,59.182 72.771,56.769 74.168,55.372 80.137,55.372
VN_BH on Int2 "Int2-VN_BH 2" (solid, pour order 33): 80.01,76.454 78.486,74.93 72.009,74.93 71.12,74.041 71.12,67.564 71.628,67.056 73.152,67.056 73.66,67.564 73.66,71.755 74.803,72.898 78.613,72.898 80.01,71.501
VP_BH on Int2 "Int2-VP_BH 1" (solid, pour order 32): 29 vertices, not listed, extent 67.564,59.055 90.805,88.646
VP_AH on Int2 "Int2-VP_AH" (solid, pour order 16): 29 vertices, not listed, extent 29.718,59.055 52.959,88.646
no net on Int2 "Int2-No Net 6" (solid, pour order 10): 42.164,71.374
no net on Int2 "Int2-No Net 7" (solid, pour order 9): 42.164,71.374
no net on Int2 "Int2-No Net 8" (solid, pour order 8): 31.623,86.868
VP_AH on Int2 "Int2-VP_AH 1" (solid, pour order 6): 21 vertices, not listed, extent 45.974,52.959 53.34,85.344
Chassis1 on Bottom Layer "Bottom Layer-Chassis1" (solid, pour order 415): 43 vertices, not listed, extent 164.846,43.053 180.086,96.139
V0_CH on Bottom Layer "Bottom Layer-V0_CH" (solid, pour order 394): 110.998,99.06 115.824,94.234 132.588,94.234 137.414,99.06 137.414,158.75 133.985,162.179 114.554,162.179 110.998,158.623
V0_BH on Bottom Layer "Bottom Layer-V0_BH" (solid, pour order 393): 78.105,99.06 82.931,94.234 99.695,94.234 104.521,99.06 104.521,158.75 101.092,162.179 81.661,162.179 78.105,158.623
V+ on Bottom Layer "Bottom Layer-V+ 9" (solid, pour order 325): 80.017,146.758 80.017,144.472 80.779,143.71 85.097,143.71 85.732,144.345 85.732,146.846 85.058,147.52 80.779,147.52
V0_AH on Bottom Layer "Bottom Layer-V0_AH" (solid, pour order 392): 45.085,99.06 49.911,94.234 66.675,94.234 71.501,99.06 71.501,158.75 68.072,162.179 48.641,162.179 45.085,158.623
V0_AL on Bottom Layer "Bottom Layer-V0_AL 3" (solid, pour order 245): 69.17,138.887 69.17,141.173 68.408,141.935 64.09,141.935 63.455,141.3 63.455,138.8 64.129,138.125 68.408,138.125
V0_CH on Bottom Layer "Bottom Layer-V0_CH 3" (solid, pour order 385): 135.382,146.685 135.382,144.399 134.62,143.637 130.302,143.637 129.667,144.272 129.667,146.773 130.341,147.447 134.62,147.447
V0_CH on Bottom Layer "Bottom Layer-V0_CH 6" (solid, pour order 348): 112.776,141.224 112.776,138.938 113.538,138.176 117.856,138.176 118.491,138.811 118.491,141.312 117.817,141.986 113.538,141.986
V0_CH on Bottom Layer "Bottom Layer-V0_CH 5" (solid, pour order 350): 112.903,120.65 112.903,118.364 113.665,117.602 117.983,117.602 118.618,118.237 118.618,120.738 117.944,121.412 113.665,121.412
V0_CH on Bottom Layer "Bottom Layer-V0_CH 4" (solid, pour order 352): 112.903,100.711 112.903,98.425 113.665,97.663 117.983,97.663 118.618,98.298 118.618,100.799 117.944,101.473 113.665,101.473
V0_BH on Bottom Layer "Bottom Layer-V0_BH 4" (solid, pour order 328): 80.01,100.584 80.01,98.298 80.772,97.536 85.09,97.536 85.725,98.171 85.725,100.672 85.051,101.346 80.772,101.346
V0_BH on Bottom Layer "Bottom Layer-V0_BH 5" (solid, pour order 326): 80.01,120.523 80.01,118.237 80.772,117.475 85.09,117.475 85.725,118.11 85.725,120.611 85.051,121.285 80.772,121.285
V0_BH on Bottom Layer "Bottom Layer-V0_BH 6" (solid, pour order 324): 79.883,141.097 79.883,138.811 80.645,138.049 84.963,138.049 85.598,138.684 85.598,141.185 84.924,141.859 80.645,141.859
V0_AH on Bottom Layer "Bottom Layer-V0_AH 3" (solid, pour order 272): 46.99,100.711 46.99,98.425 47.752,97.663 52.07,97.663 52.705,98.298 52.705,100.799 52.031,101.473 47.752,101.473
V0_AH on Bottom Layer "Bottom Layer-V0_AH 4" (solid, pour order 256): 46.99,120.65 46.99,118.364 47.752,117.602 52.07,117.602 52.705,118.237 52.705,120.738 52.031,121.412 47.752,121.412
V0_AH on Bottom Layer "Bottom Layer-V0_AH 6" (solid, pour order 235): 46.863,141.224 46.863,138.938 47.625,138.176 51.943,138.176 52.578,138.811 52.578,141.312 51.904,141.986 47.625,141.986
V0_AH on Bottom Layer "Bottom Layer-V0_AH 1" (solid, pour order 305): 69.215,106.299 69.215,104.013 68.453,103.251 64.135,103.251 63.5,103.886 63.5,106.387 64.174,107.061 68.453,107.061
V0_AL on Bottom Layer "Bottom Layer-V0_AL 1" (solid, pour order 304): 69.088,100.711 69.088,98.425 68.326,97.663 64.008,97.663 63.373,98.298 63.373,100.799 64.047,101.473 68.326,101.473
V0_AH on Bottom Layer "Bottom Layer-V0_AH 2" (solid, pour order 303): 69.215,126.238 69.215,123.952 68.453,123.19 64.135,123.19 63.5,123.825 63.5,126.326 64.174,127 68.453,127
V0_AL on Bottom Layer "Bottom Layer-V0_AL 2" (solid, pour order 302): 69.088,120.65 69.088,118.364 68.326,117.602 64.008,117.602 63.373,118.237 63.373,120.738 64.047,121.412 68.326,121.412
V+ on Bottom Layer "Bottom Layer-V+ 1" (solid, pour order 273): 46.863,106.299 46.863,104.013 47.625,103.251 51.943,103.251 52.578,103.886 52.578,106.387 51.904,107.061 47.625,107.061
V+ on Bottom Layer "Bottom Layer-V+ 2" (solid, pour order 257): 46.863,126.238 46.863,123.952 47.625,123.19 51.943,123.19 52.578,123.825 52.578,126.326 51.904,127 47.625,127
V0_AH on Bottom Layer "Bottom Layer-V0_AH 5" (solid, pour order 243): 69.342,144.123 69.342,146.409 68.58,147.171 64.262,147.171 63.627,146.536 63.627,144.035 64.301,143.361 68.58,143.361
V+ on Bottom Layer "Bottom Layer-V+ 3" (solid, pour order 241): 46.736,146.812 46.736,144.526 47.498,143.764 51.816,143.764 52.451,144.399 52.451,146.9 51.777,147.574 47.498,147.574
V0_CH on Bottom Layer "Bottom Layer-V0_CH 1" (solid, pour order 389): 135.255,106.172 135.255,103.886 134.493,103.124 130.175,103.124 129.54,103.759 129.54,106.26 130.214,106.934 134.493,106.934
V0_AL on Bottom Layer "Bottom Layer-V0_AL 4" (solid, pour order 388): 135.128,100.584 135.128,98.298 134.366,97.536 130.048,97.536 129.413,98.171 129.413,100.672 130.087,101.346 134.366,101.346
V0_CH on Bottom Layer "Bottom Layer-V0_CH 2" (solid, pour order 387): 135.255,126.111 135.255,123.825 134.493,123.063 130.175,123.063 129.54,123.698 129.54,126.199 130.214,126.873 134.493,126.873
V0_AL on Bottom Layer "Bottom Layer-V0_AL 5" (solid, pour order 386): 135.128,120.523 135.128,118.237 134.366,117.475 130.048,117.475 129.413,118.11 129.413,120.611 130.087,121.285 134.366,121.285
V0_AL on Bottom Layer "Bottom Layer-V0_AL 6" (solid, pour order 384): 135.255,141.097 135.255,138.811 134.493,138.049 130.175,138.049 129.54,138.684 129.54,141.185 130.214,141.859 134.493,141.859
V0_BH on Bottom Layer "Bottom Layer-V0_BH 1" (solid, pour order 365): 102.362,106.172 102.362,103.886 101.6,103.124 97.282,103.124 96.647,103.759 96.647,106.26 97.321,106.934 101.6,106.934
V0_AL on Bottom Layer "Bottom Layer-V0_AL 7" (solid, pour order 364): 102.235,100.584 102.235,98.298 101.473,97.536 97.155,97.536 96.52,98.171 96.52,100.672 97.194,101.346 101.473,101.346
V0_BH on Bottom Layer "Bottom Layer-V0_BH 2" (solid, pour order 363): 102.362,126.111 102.362,123.825 101.6,123.063 97.282,123.063 96.647,123.698 96.647,126.199 97.321,126.873 101.6,126.873
V0_AL on Bottom Layer "Bottom Layer-V0_AL 8" (solid, pour order 362): 102.235,120.523 102.235,118.237 101.473,117.475 97.155,117.475 96.52,118.11 96.52,120.611 97.194,121.285 101.473,121.285
V0_BH on Bottom Layer "Bottom Layer-V0_BH 3" (solid, pour order 361): 102.235,146.685 102.235,144.399 101.473,143.637 97.155,143.637 96.52,144.272 96.52,146.773 97.194,147.447 101.473,147.447
V0_AL on Bottom Layer "Bottom Layer-V0_AL 9" (solid, pour order 360): 102.362,141.097 102.362,138.811 101.6,138.049 97.282,138.049 96.647,138.684 96.647,141.185 97.321,141.859 101.6,141.859
V+ on Bottom Layer "Bottom Layer-V+ 4" (solid, pour order 353): 112.776,106.299 112.776,104.013 113.538,103.251 117.856,103.251 118.491,103.886 118.491,106.387 117.817,107.061 113.538,107.061
V+ on Bottom Layer "Bottom Layer-V+ 5" (solid, pour order 351): 112.776,126.238 112.776,123.952 113.538,123.19 117.856,123.19 118.491,123.825 118.491,126.326 117.817,127 113.538,127
V+ on Bottom Layer "Bottom Layer-V+ 6" (solid, pour order 349): 112.649,146.812 112.649,144.526 113.411,143.764 117.729,143.764 118.364,144.399 118.364,146.9 117.69,147.574 113.411,147.574
V+ on Bottom Layer "Bottom Layer-V+ 7" (solid, pour order 329): 79.883,106.172 79.883,103.886 80.645,103.124 84.963,103.124 85.598,103.759 85.598,106.26 84.924,106.934 80.645,106.934
V+ on Bottom Layer "Bottom Layer-V+ 8" (solid, pour order 327): 79.883,126.111 79.883,123.825 80.645,123.063 84.963,123.063 85.598,123.698 85.598,126.199 84.924,126.873 80.645,126.873
no net on Bottom Layer "Bottom Layer-No Net" (solid, pour order 207): 165.862,57.404
no net on Bottom Layer "Bottom Layer-No Net 1" (solid, pour order 206): 165.862,57.404
Chassis2 on Bottom Layer "Bottom Layer-Chassis2" (solid, pour order 203): 25 vertices, not listed, extent 1.27,51.816 16.764,96.393
no net on Bottom Layer "Bottom Layer-No Net 2" (solid, pour order 200): 10.541,58.42
no net on Bottom Layer "Bottom Layer-No Net 3" (solid, pour order 196): 165.227,94.742
V0_AL on Bottom Layer "Bottom Layer-V0_AL" (solid, pour order 193): 1.811,165.655 1.049,164.893 1.049,153.971 1.557,153.463 17.051,153.463 17.686,154.098 17.686,165.147 17.178,165.655
V+ on Bottom Layer "Bottom Layer-V+" (solid, pour order 191): 1.651,182.753 0.889,181.991 0.889,171.069 1.397,170.561 16.891,170.561 17.526,171.196 17.526,182.245 17.018,182.753
M_C on Bottom Layer "Top Layer-M_B" (solid, pour order 165): 127.508,192.659 128.905,191.262 128.905,172.466 127,170.561 118.999,170.561 117.094,172.466 117.094,191.008 118.745,192.659
M_B on Bottom Layer "Top Layer-M_B" (solid, pour order 164): 94.234,192.786 95.631,191.389 95.631,172.593 93.726,170.688 85.725,170.688 83.82,172.593 83.82,191.135 85.471,192.786
M_A on Bottom Layer "Top Layer-M_B" (solid, pour order 151): 61.214,192.786 62.611,191.389 62.611,172.593 60.706,170.688 52.705,170.688 50.8,172.593 50.8,191.135 52.451,192.786

## Other copper
Int1 (GND):
  pour cut-out: 141.605,54.229 139.7,52.324 141.605,52.324

## Silkscreen, mask and mechanical layers (free items; w line width, h text height)
Top Overlay:
  drawing of 14 lines, arcs and shapes, not listed
  text "A" at 56.153,193.694 h2
  text "C" at 122.447,193.694 h2
  text "B" at 89.173,193.567 h2
  text "HIGH VOLTAGE" at 28.016,178.003 h1.02
  text "V+" at 18.542,175.133 h2.54
  text "AGU POWER LAB.  / POWER BOARD / DESIGNED BY / MURATCAN YAZICI" at 142.293,175.133 h1.02
  text "CURRENT SEONSOR CONN." at 173.584,172.745 h0.76 r90
  text "V-" at 18.796,158.242 h2.54
  text "BL" at 96.031,154.197 h2.5
  text "AH" at 48.66,154.07 h2.5
  text "AL" at 63.011,154.07 h2.5
  text "BH" at 81.68,154.07 h2.5
  text "CL" at 128.797,154.07 h2.5
  text "CH" at 114.7,153.943 h2.5
  text "5VP" at 0.785,38.839 h1 r270
  text "OPTION B - OPTOCOUPLER" at 147.955,38.1 h0.76 r270
  text "5VN" at 0.785,33.759 h1 r270
  text "VOLTAGE / SOURCE" at 1.491,25.908 h1.02
  text "12V -> 5V" at 0.914,21.336 h1.02
  text "OPTION A - OPAMP" at 167.767,20.066 h0.76
  text "3V3" at 146.758,17.707 h1 r270
  text "5V" at 139.138,16.818 h1 r270
  text "BATTERY" at 1.11,16.764 h1.02
  text "12VP" at 0.531,15.725 h1 r270
  text "12VN" at 0.531,10.645 h1 r270
  text "5V" at 141.551,3.375 h1
  text "GND" at 144.472,3.375 h1
  text "3V3" at 148.282,3.375 h1
  text "PHASE A" at 71.882,3.048 h1.02
  text "PHASE B" at 86.995,3.048 h1.02
  text "PHASE C" at 102.489,3.048 h1.02
  text "SUPPLY CONNECTOR" at 137.922,0.889 h1.02
  text "GATE DRIVER CONNECTORS" at 78.994,0.762 h1.02
Mechanical 1:
  the board outline again, w0.254

## Text inside footprints (layer, text, board x,y; h text height)
C14: Top Overlay "20u" at 22.779,111.771 h1 r180
C15: Top Overlay "20u" at 22.779,139.573 h1 r180
C16: Top Overlay "20u" at 160.99,139.573 h1 r180
C17: Top Overlay "20u" at 160.99,111.76 h1 r180
C20: Top Overlay "1n" at 168.529,83.566 h1
C21: Top Overlay "1n" at 11.176,83.693 h1
C35: Top Overlay "4.7u" at 10.287,9.525 h1
C150: Top Overlay "4.7u" at 10.541,34.29 h1
IC5: Mechanical 13 "*" at 174.219,31.445 h1.27 r270
Q13: Top Overlay "S" at 86.055,149.123 h1 r90; Top Overlay "D" at 86.081,143.662 h1 r90; Top Overlay "G" at 86.055,138.1 h1 r90
Q14: Top Overlay "S" at 86.055,128.702 h1 r90; Top Overlay "D" at 86.081,123.368 h1 r90; Top Overlay "G" at 86.081,117.729 h1 r90
Q15: Top Overlay "S" at 86.055,108.763 h1 r90; Top Overlay "D" at 86.131,103.251 h1 r90; Top Overlay "G" at 86.131,97.612 h1 r90
Q16: Top Overlay "S" at 118.872,149.25 h1 r90; Top Overlay "D" at 118.948,143.993 h1 r90; Top Overlay "G" at 118.897,138.125 h1 r90
Q17: Top Overlay "S" at 118.897,128.829 h1 r90; Top Overlay "D" at 118.847,123.241 h1 r90; Top Overlay "G" at 118.847,117.754 h1 r90
Q18: Top Overlay "S" at 118.897,108.585 h1 r90; Top Overlay "D" at 118.999,103.276 h1 r90; Top Overlay "G" at 118.948,97.663 h1 r90
Q19: Top Overlay "S" at 52.934,149.352 h1 r90; Top Overlay "D" at 52.807,143.764 h1 r90; Top Overlay "G" at 52.781,138.227 h1 r90
Q20: Top Overlay "S" at 53.035,128.854 h1 r90; Top Overlay "D" at 52.934,123.139 h1 r90; Top Overlay "G" at 52.934,117.602 h1 r90
Q21: Top Overlay "S" at 52.883,108.737 h1 r90; Top Overlay "D" at 52.883,103.251 h1 r90; Top Overlay "G" at 52.883,97.612 h1 r90
Q22: Top Overlay "S" at 96.266,138.673 h1 r270; Top Overlay "D" at 96.266,144.261 h1 r270; Top Overlay "G" at 96.266,149.976 h1 r270
Q23: Top Overlay "S" at 96.266,118.248 h1 r270; Top Overlay "D" at 96.266,123.836 h1 r270; Top Overlay "G" at 96.266,129.551 h1 r270
Q24: Top Overlay "S" at 96.266,98.182 h1 r270; Top Overlay "D" at 96.266,103.77 h1 r270; Top Overlay "G" at 96.266,109.485 h1 r270
Q25: Top Overlay "S" at 129.159,138.673 h1 r270; Top Overlay "D" at 129.159,144.261 h1 r270; Top Overlay "G" at 129.159,149.976 h1 r270
Q26: Top Overlay "S" at 129.159,118.248 h1 r270; Top Overlay "D" at 129.159,123.836 h1 r270; Top Overlay "G" at 129.159,129.551 h1 r270
Q27: Top Overlay "S" at 129.159,98.182 h1 r270; Top Overlay "D" at 129.159,103.77 h1 r270; Top Overlay "G" at 129.159,109.485 h1 r270
Q28: Top Overlay "S" at 63.246,138.673 h1 r270; Top Overlay "D" at 63.246,144.261 h1 r270; Top Overlay "G" at 63.246,149.976 h1 r270
Q29: Top Overlay "S" at 63.246,118.226 h1 r270; Top Overlay "D" at 63.246,123.814 h1 r270; Top Overlay "G" at 63.246,129.529 h1 r270
Q30: Top Overlay "S" at 63.246,98.16 h1 r270; Top Overlay "D" at 63.246,103.748 h1 r270; Top Overlay "G" at 63.246,109.463 h1 r270